# Altium PCB PCB_3U_DAC.PCBDOC (part 5 of 9)
Units mm, origin at the board's own origin, x right, y up, seen from the top; angles counter-clockwise.
Board outline 186.91 x 200.1 mm, 4 copper layers (TopLayer, Internal Plane 2, Signal Layer 1, BottomLayer), stack 1.563 mm thick; 822 components, 563 nets, 2611 pads, 820 vias.
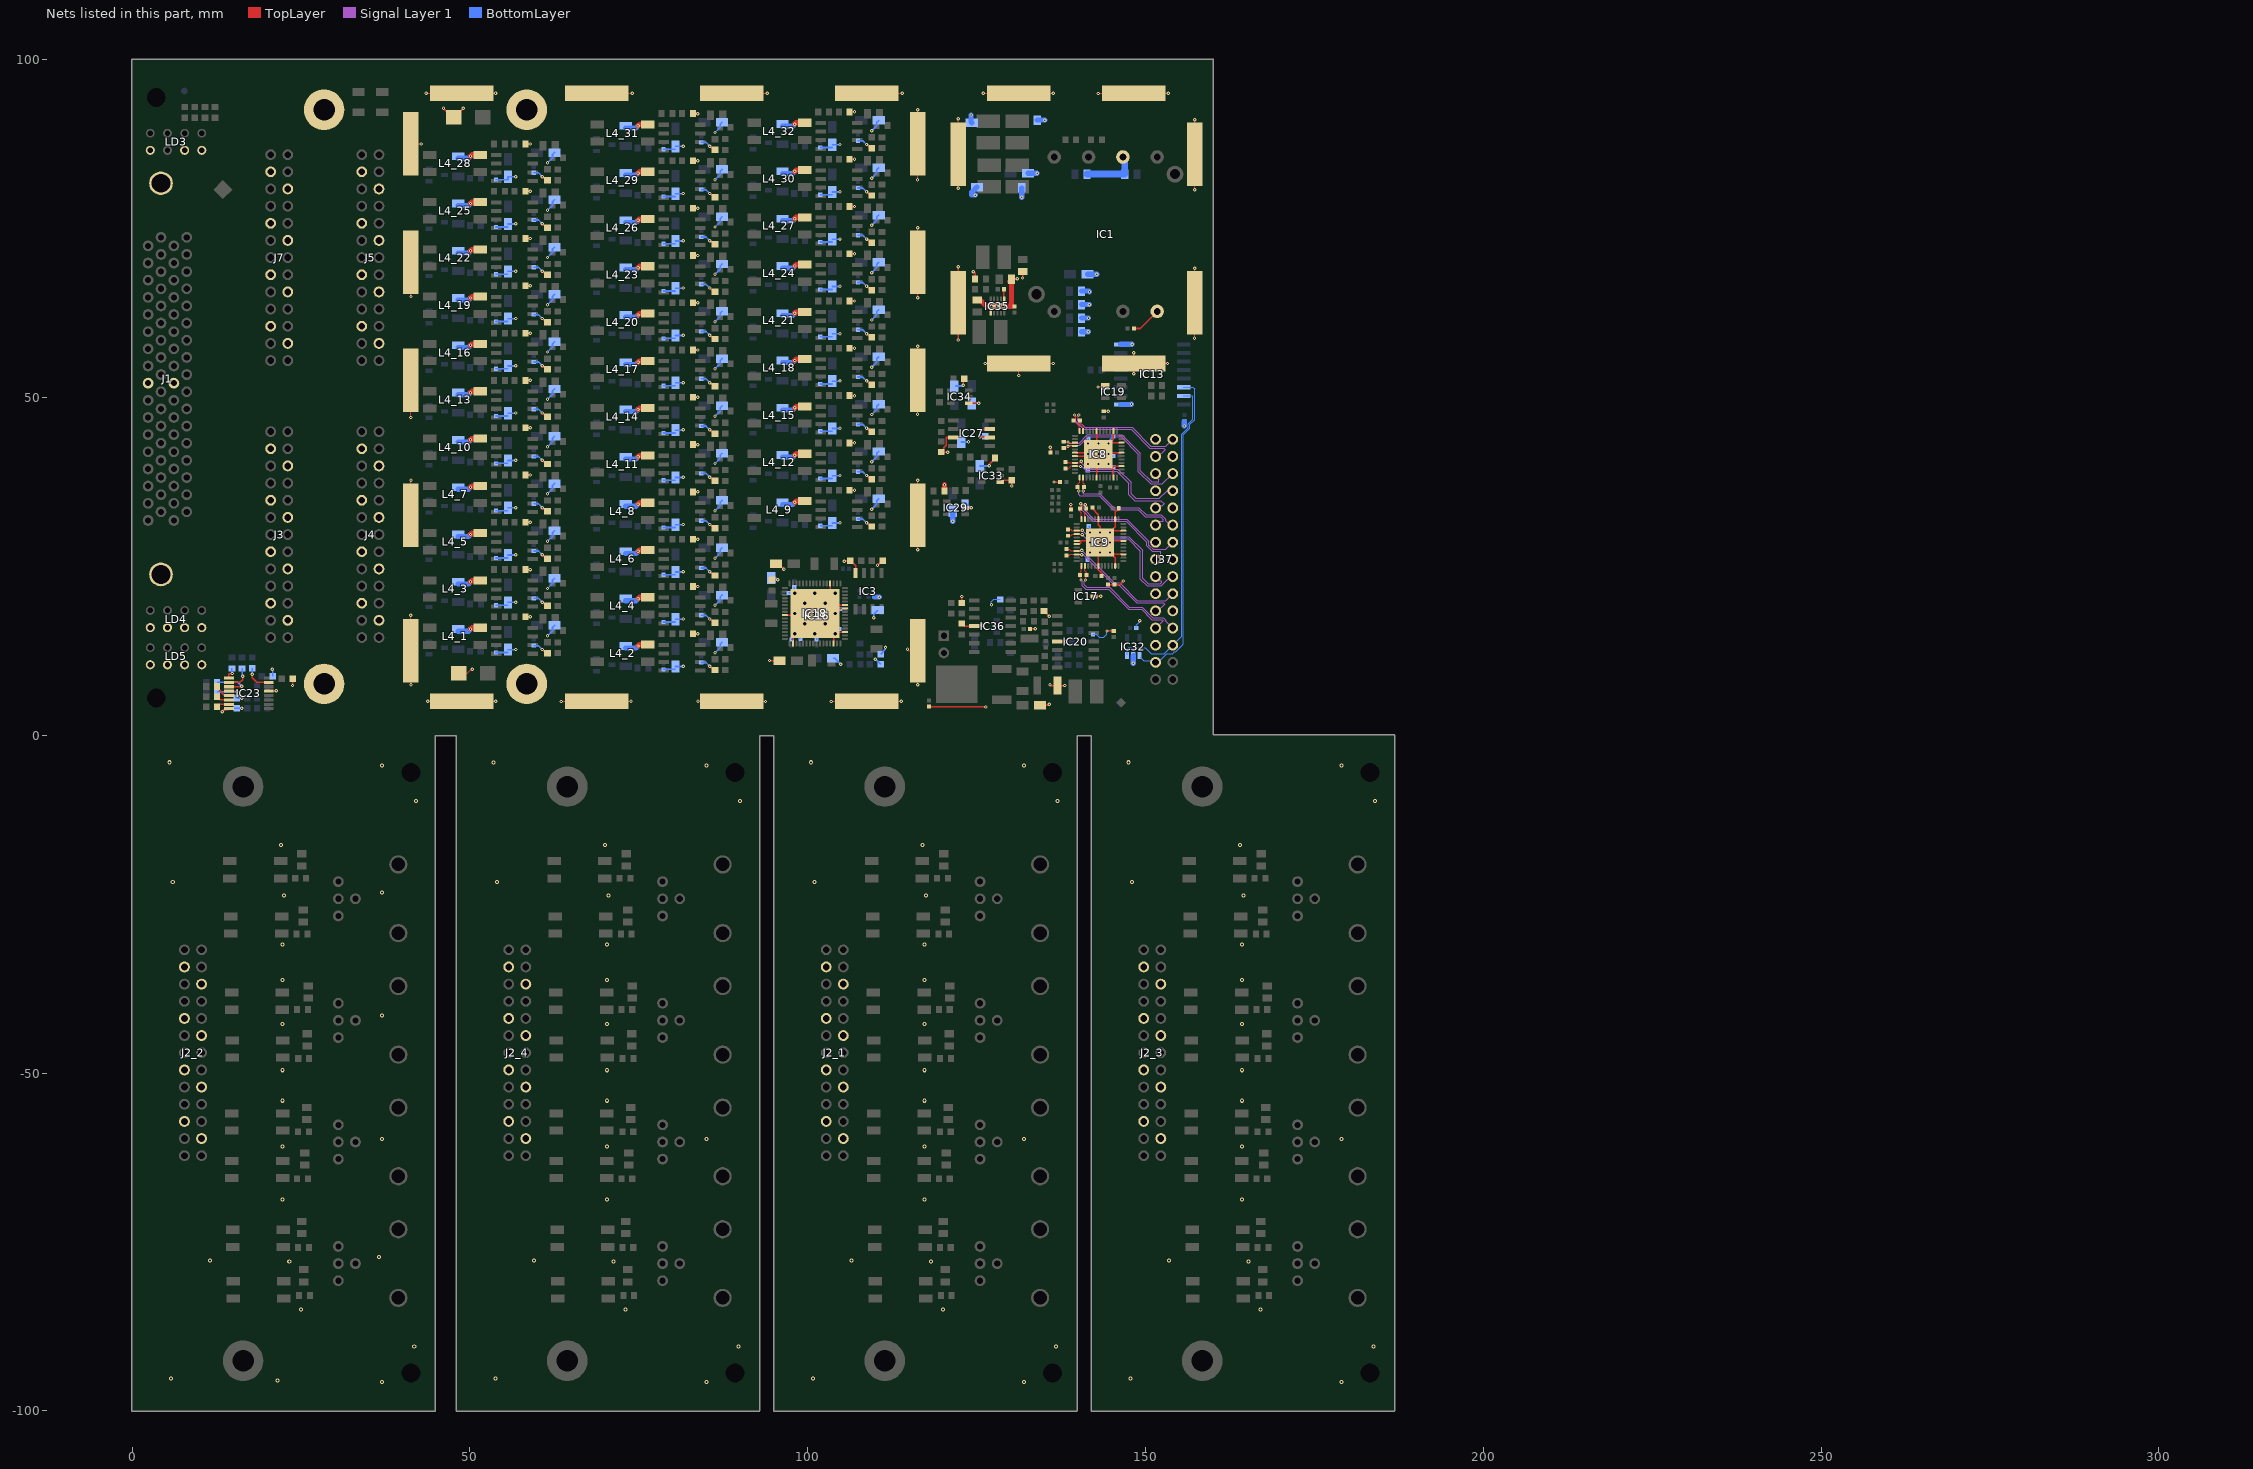
[diagram p7: the nets of this part, all layers, seen from the top]

## Via types
v1: diameter 0.5, hole 0.2, TopLayer to BottomLayer, tented both sides, 685 vias
v2: diameter 0.6, hole 0.3, TopLayer to BottomLayer, tented both sides, 105 vias
v3: diameter 1, hole 0.5, TopLayer to BottomLayer, tented both sides, 21 vias
v4: diameter 1, hole 0.6, TopLayer to BottomLayer, tented both sides, 9 vias

## Nets (pads, with @x,y where several pads share a name; then routed paths per layer and width w, separated by ;. In a path a pad name is that pad's centre, name@x,y a point inside that pad or via, vN(x,y) a via of type N, cw(c..) or ccw(c..) an arc to the next point about the centre after c; other vN are vias at no path point) (continued)
GND: C9.1 C12.2 C13.1 C14.2 C19.1 C20.1 C21.1 C22.1 C23.1 C24.1 C31.1 C33.1 C37.1 C38.1 C47.2 C50.1 C53.1 C59.1 C61_1.1 C61_2.1 C61_3.1 C61_4.1 C61_5.1 C61_6.1 C61_7.1 C61_8.1 C61_9.1 C61_10.1 C61_11.1 C61_12.1 C61_13.1 C61_14.1 C61_15.1 C61_16.1 C61_17.1 C61_18.1 C61_19.1 C61_20.1 C61_21.1 C61_22.1 C61_23.1 C61_24.1 C61_25.1 C61_26.1 C61_27.1 C61_28.1 C61_29.1 C61_30.1 C61_31.1 C61_32.1 C62_1.1 C62_2.1 C62_3.1 C62_4.1 C62_5.1 C62_6.1 C62_7.1 C62_8.1 C62_9.1 C62_10.1 C62_11.1 C62_12.1 C62_13.1 C62_14.1 C62_15.1 C62_16.1 C62_17.1 C62_18.1 C62_19.1 C62_20.1 C62_21.1 C62_22.1 C62_23.1 C62_24.1 C62_25.1 C62_26.1 C62_27.1 C62_28.1 C62_29.1 C62_30.1 C62_31.1 C62_32.1 C63.1 C65.2 C66.1 C67.1 C68.1 C69.1 C70.1 C71.1 C76.1 C77.1 C78.1 C79.2 C80.1 C81.1 C82.1 C83.1 C84.2 C90_1.2 C90_2.2 C90_3.2 C90_4.2 C90_5.2 C90_6.2 C90_7.2 C90_8.2 C90_9.2 C90_10.2 C90_11.2 C90_12.2 C90_13.2 C90_14.2 C90_15.2 C90_16.2 C90_17.2 C90_18.2 C90_19.2 C90_20.2 C90_21.2 C90_22.2 C90_23.2 C90_24.2 C90_25.2 C90_26.2 C90_27.2 C90_28.2 C90_29.2 C90_30.2 C90_31.2 C90_32.2 C91_1.1 C91_2.1 C91_3.1 C91_4.1 C91_5.1 C91_6.1 C91_7.1 C91_8.1 C91_9.1 C91_10.1 C91_11.1 C91_12.1 C91_13.1 C91_14.1 C91_15.1 C91_16.1 C91_17.1 C91_18.1 C91_19.1 C91_20.1 C91_21.1 C91_22.1 C91_23.1 C91_24.1 C91_25.1 C91_26.1 C91_27.1 C91_28.1 C91_29.1 C91_30.1 C91_31.1 C91_32.1 C92_1.1 C92_2.1 C92_3.1 C92_4.1 C92_5.1 C92_6.1 C92_7.1 C92_8.1 C92_9.1 C92_10.1 C92_11.1 C92_12.1 C92_13.1 C92_14.1 C92_15.1 C92_16.1 C92_17.1 C92_18.1 C92_19.1 C92_20.1 C92_21.1 C92_22.1 C92_23.1 C92_24.1 C92_25.1 C92_26.1 C92_27.1 C92_28.1 C92_29.1 C92_30.1 C92_31.1 C92_32.1 C93_1.1 C93_2.1 C93_3.1 C93_4.1 C93_5.1 C93_6.1 C93_7.1 C93_8.1 C93_9.1 C93_10.1 C93_11.1 C93_12.1 C93_13.1 C93_14.1 C93_15.1 C93_16.1 C93_17.1 C93_18.1 C93_19.1 C93_20.1 C93_21.1 C93_22.1 C93_23.1 C93_24.1 C93_25.1 C93_26.1 C93_27.1 C93_28.1 C93_29.1 C93_30.1 C93_31.1 C93_32.1 C95.1 C96.1 C124.2 C129.1 C130.1 C131.1 C132.2 C133.1 C134.2 C135.2 C136.2 C137.1 C138.1 C139.1 C140.1 C141.1 C142.1 C143.2 C144.1 C145.2 C146.2 C147.1 C148.1 C149.1 C150.1 C151.1 C152.2 CLIP27.1 CLIP28.1 CLIP29.1 CLIP30.1 CLIP31.1 CLIP32.1 CLIP33.1 CLIP34.1 CLIP35.1 CLIP36.1 CLIP37.1 CLIP38.1 CLIP39.1 CLIP40.1 CLIP41.1 CLIP42.1 CLIP43.1 CLIP44.1 CLIP45.1 CLIP46.1 CLIP47.1 CLIP48.1 CLIP49.1 CLIP50.1 CLIP51.1 CLIP52.1 D10.2 D11.1 IC1.3 IC1.5 IC3.4 IC8.6 IC8.7 IC8.18 IC8.23 IC8.27 IC8.31 IC8.34 IC8.38 IC8.43 IC8.49 IC9.6 IC9.7 IC9.18 IC9.23 IC9.27 IC9.31 IC9.34 IC9.38 IC9.43 IC9.49 IC13.1 IC13.8 IC16.3 IC17.3 IC18.4 IC18.25 IC18.34 IC18.46 IC18.51 IC18.58 IC18.59 IC18.65 IC19.1 IC20.11 IC23.8 IC23.13 IC27.3 IC27.6 IC27.7 IC29.2 IC32.2 IC33.1 IC34.1 IC35.1 IC35.6 IC35.11 IC36.11 J1.17 J1.51 J1.69 J1.70 J3.3 J3.6 J3.9 J3.12 J3.15 J3.18 J3.21 J3.24 J4.3 J4.6 J4.9 J4.12 J4.15 J4.18 J4.21 J4.24 J5.3 J5.6 J5.9 J5.12 J5.15 J5.18 J5.21 J5.24 J7.3 J7.6 J7.9 J7.12 J7.15 J7.18 J7.21 J7.24 J37.1 J37.4 J37.7 J37.10 J37.13 J37.16 J37.19 J37.22 J37.25 L4_1.2 L4_2.2 L4_3.2 L4_4.2 L4_5.2 L4_6.2 L4_7.2 L4_8.2 L4_9.2 L4_10.2 L4_11.2 L4_12.2 L4_13.2 L4_14.2 L4_15.2 L4_16.2 L4_17.2 L4_18.2 L4_19.2 L4_20.2 L4_21.2 L4_22.2 L4_23.2 L4_24.2 L4_25.2 L4_26.2 L4_27.2 L4_28.2 L4_29.2 L4_30.2 L4_31.2 L4_32.2 LD3.1 LD3.5 LD3.7 LD4.1 LD4.3 LD4.5 LD4.7 LD5.1 LD5.3 LD5.5 LD5.7 pad.0 pad.1@58.4,92.6 pad.2@28.4,92.6 pad.3@28.4,7.6 R2.1 R10.2 R16.1 R17.1 R19.1 R20.1 R21.1 R23.1 R65.2 R68_1.1 R68_2.1 R68_3.1 R68_4.1 R68_5.1 R68_6.1 R68_7.1 R68_8.1 R68_9.1 R68_10.1 R68_11.1 R68_12.1 R68_13.1 R68_14.1 R68_15.1 R68_16.1 R68_17.1 R68_18.1 R68_19.1 R68_20.1 R68_21.1 R68_22.1 R68_23.1 R68_24.1 R68_25.1 R68_26.1 R68_27.1 R68_28.1 R68_29.1 R68_30.1 R68_31.1 R68_32.1 R70.1 R85.1 R153.1 R157.2 R158.1 R161.1 R164.1 R168.1 R171.2 R174.1 | length 814.1
  TopLayer w0.127: CLIP38.1@40.981,87.25 CLIP38.1@41.263,87.531 v1(42.764,87.531) ; v1(41.25,17.75) 41.263,17.737 CLIP46.1@41.263,12.531 41.263,7.678 v1(41.263,7.454) ; v1(41.25,47.029) 41.25,47.459 41.263,47.472 CLIP40.1@41.263,52.531 ; CLIP47.1@41.263,32.531 v1(41.263,37.737) ; v1(41.263,64.954) 41.263,65.178 CLIP39.1@41.263,70.031 ; v1(43.5,95.031) CLIP41.1@48.762,95.031 v1(53.787,95.031) ; v1(43.75,5.031) CLIP43.1@48.762,5.031 53.616,5.031 v1(53.84,5.031) ; D11.1@48.363,9.206 49.605,9.206 50.152,9.754 v1(50.315,9.754) ; v1(63.5,5) 63.531,5.031 CLIP44.1@68.762,5.031 73.616,5.031 v1(73.84,5.031) ; CLIP42.1@68.762,95.031 v1(74,95.031) ; v1(83.75,5.031) CLIP32.1@88.762,5.031 93.719,5.031 v1(93.75,5) ; CLIP33.1@88.762,95.031 v1(94,95.031) ; v1(103.5,5) 103.531,5.031 CLIP45.1@108.762,5.031 113.616,5.031 v1(113.839,5.031) ; CLIP34.1@108.762,95.031 v1(114,95.031) ; v1(114.763,12.75) 114.981,12.531 CLIP37.1@116.263,12.531 116.263,7.678 v1(116.263,7.454) ; v1(116.25,47.5) 116.263,47.513 CLIP29.1@116.263,52.531 116.263,57.385 v1(116.263,57.608) ; v1(116.25,82.25) 116.263,82.263 CLIP31.1@116.263,87.531 116.263,92.385 v1(116.263,92.608) ; v1(116.263,27.454) 116.263,27.678 CLIP28.1@116.263,32.531 v1(116.263,37.75) ; v1(116.263,64.75) CLIP30.1@116.263,70.031 116.263,74.885 v1(116.263,75.108) ; v1(122.263,80.954) 122.263,81.178 CLIP36.1@122.263,86.031 v1(122.263,91.25) ; v1(126,95.031) CLIP35.1@131.262,95.031 136.116,95.031 v1(136.34,95.031) ; v1(126.25,55.031) CLIP52.1@131.263,55.031 ; v1(131.25,53.25) 131.263,53.263 CLIP52.1@131.263,55.031 ; v1(136.34,55.031) 136.116,55.031 CLIP52.1@131.263,55.031 ; v1(143,95) 143.031,95.031 CLIP49.1@148.262,95.031 153.116,95.031 v1(153.339,95.031) ; v1(157.25,58.75) 157.263,58.763 CLIP50.1@157.263,64.031 157.263,68.884 v1(157.263,69.108) ; v1(157.263,80.75) CLIP48.1@157.263,86.031 157.263,90.884 v1(157.263,91.108)
  TopLayer w0.203: v1(13.341,3.501) 13.341,3.534 13.556,3.75 14.131,3.75 IC23.8@14.313,3.931 ; IC23.13@20.213,6.531 21.237,6.531 v1(21.307,6.601) ; v1(23.72,7.363) 23.758,7.401 C96.1@23.758,8.379 ; v1(46.072,92.834) 47.449,91.456 47.615,91.456 v1(48.993,92.834) ; v1(94.339,11.072) 94.365,11.046 C84.2@95.826,11.046 ; C47.2@95.318,25.397 95.876,24.838 96.194,24.838 v1(96.473,24.559) ; IC18.25@96.613,17.781 98.019,17.781 IC18.65@98.142,17.904 ; IC18.34@97.813,13.581 97.813,14.527 IC18.65@98.015,14.729 ; IC18.4@103.313,22.481 103.313,21.242 IC18.65@103.349,21.206 ; IC18.65@103.73,15.11 103.813,15.027 IC18.46@103.813,13.581 ; IC18.65@104.111,19.301 104.131,19.281 IC18.59@105.513,19.281 ; IC18.65@104.238,18.793 104.25,18.781 IC18.58@105.513,18.781 ; IC18.65@104.365,15.364 104.448,15.281 IC18.51@105.513,15.281 ; v1(105.381,25.778) 105.444,25.842 C82.1@106.299,25.842 107.074,25.067 IC3.4@107.074,24.02 ; v1(110.334,25.143) 111.032,25.842 C80.1@111.074,25.842 ; R174.1@117.954,4.226 126.298,4.226 v1(126.336,4.188) ; v1(122.263,58.5) CLIP51.1@122.263,64.031 122.263,69.354 v1(122.276,69.367) ; R85.1@122.78,16.545 122.799,16.545 123.186,16.158 IC36.11@124.68,16.158 125.689,16.158 v1(125.813,16.281) ; R168.1@122.78,19.593 122.813,19.626 v1(122.813,20.531) ; IC29.2@123.283,33.647 124.172,33.647 v1(124.177,33.652) ; v1(124.511,68.631) 124.788,68.354 R164.1@124.788,67.531 ; IC35.6@127.087,62.481 127.087,63.36 IC35.11@127.098,63.37 ; IC35.11@129.003,63.497 129.087,63.582 IC35.1@129.087,64.581 ; C150.1@129.038,66.031 129.038,64.859 IC35.1@129.13,64.767 ; C151.1@129.988,67.18 129.988,67.531 131.005,67.531 v1(131.035,67.561) ; v1(131.797,67.688) 131.838,67.729 C129.1@131.838,68.631 ; C67.1@132.882,15.745 v1(133.702,15.745) ; C65.2@134.367,4.442 135.607,4.442 v1(135.734,4.569) ; R65.2@134.972,18.374 135.73,17.615 v1(135.765,17.615) ; v1(135.861,7.49) 135.988,7.363 C152.2@136.979,7.363 v1(138.02,7.363) ; v1(135.89,42.621) 135.94,42.571 R17.1@135.94,41.854 ; v1(136.444,37.485) R19.1@137.337,37.485 ; IC20.11@136.935,13.872 138.115,13.872 v1(138.147,13.84) ; v1(138.942,34.16) 138.967,34.135 R20.1@138.967,33.411 ; IC8.7@139.556,41.33 141.337,41.33 141.587,41.58 IC8.49@143.006,41.58 ; IC8.6@139.556,41.83 IC8.49@141.506,41.83 ; IC9.7@139.82,28.284 140.241,28.284 140.241,28.339 140.386,28.483 140.386,28.784 ; IC9.6@139.82,28.784 140.386,28.784 ; R21.1@142.155,33.703 142.155,33.513 143.02,32.647 IC9.43@143.02,31.984 143.02,31.149 143.27,30.899 v2(143.27,30.034) v2(143.27,28.534) ; IC17.3@142.345,20.571 v1(143.354,20.571) ; IC8.18@142.756,38.13 142.756,39.701 143.006,39.951 v2(143.006,40.153) IC8.49@143.006,41.552 ; IC8.43@142.756,45.03 142.756,43.732 143.006,43.482 v2(143.006,43.153) v2(143.006,41.653) ; v1(142.973,51.559) 143.024,51.611 IC19.1@144.05,51.611 ; IC8.49@143.263,41.58 144.33,41.58 IC8.49@144.454,41.705 ; IC9.49@143.27,28.608 145.52,30.858 IC9.38@145.52,31.984 145.55,32.013 145.55,33.063 145.83,33.343 146.041,33.343 R171.2@146.041,33.601 ; C24.1@143.466,23.555 143.466,24.08 143.02,24.526 IC9.18@143.02,25.084 143.02,26.681 143.27,26.931 v2(143.27,27.034) v2(143.27,28.534) ; IC9.49@143.705,28.534 145.455,26.784 IC9.27@146.72,26.784 ; R16.1@143.827,47.963 144.468,47.963 v1(144.475,47.955) ; IC8.49@144.455,40.102 145.256,39.302 IC8.23@145.256,38.13 ; R23.1@144.462,22.309 R157.2@145.427,22.309 146.166,22.309 v1(146.689,22.832) ; IC8.49@144.469,40.117 IC8.49@143.006,41.58 ; IC8.49@144.58,41.83 IC8.31@146.456,41.83 ; IC9.49@144.745,28.559 144.72,28.534 v2(143.27,28.534) ; IC8.49@144.756,39.83 IC8.27@146.456,39.83 ; IC9.49@144.97,28.784 IC9.31@146.72,28.784 ; IC9.49@145.038,30.301 146.702,30.301 IC9.34@146.72,30.284 ; 145.114,43.689 IC8.49@143.006,41.58 ; IC9.49@145.213,26.591 145.52,26.284 IC9.23@145.52,25.084 ; IC8.38@145.256,45.03 145.256,43.83 144.756,43.33 IC8.34@146.456,43.33 ; v1(148.234,56.642) 148.263,56.614 CLIP27.1@148.263,55.031 ; v1(148.25,53.531) 148.263,53.544 CLIP27.1@148.263,55.031 ; v1(153.25,55.031) CLIP27.1@148.263,55.031 ; 140.386,28.784 141.396,28.784 141.646,28.534 v2(141.77,28.534) v2(143.27,28.534)
  TopLayer w0.254: R68_1.1@58.204,17.526 v1(58.928,17.526) ; R68_3.1@58.204,24.526 v1(58.928,24.526) ; R68_5.1@58.204,31.526 v1(58.928,31.526) ; R68_7.1@58.204,38.526 v1(58.928,38.526) ; R68_10.1@58.204,45.526 v1(58.928,45.526) ; R68_13.1@58.204,52.526 v1(58.928,52.526) ; R68_16.1@58.204,59.526 v1(58.928,59.526) ; R68_19.1@58.204,66.526 v1(58.928,66.526) ; R68_22.1@58.204,73.526 v1(58.928,73.526) ; R68_25.1@58.204,80.526 v1(58.928,80.526) ; R68_28.1@58.204,87.526 v1(58.928,87.526) ; v1(60.706,12.7) 61.252,12.154 C61_1.1@61.468,12.154 ; v1(60.706,19.7) 61.252,19.154 C61_3.1@61.468,19.154 ; v1(60.706,26.7) 61.252,26.154 C61_5.1@61.468,26.154 ; v1(60.706,33.7) 61.252,33.154 C61_7.1@61.468,33.154 ; v1(60.706,40.7) 61.252,40.154 C61_10.1@61.468,40.154 ; v1(60.706,47.7) 61.252,47.154 C61_13.1@61.468,47.154 ; v1(60.706,54.7) 61.252,54.154 C61_16.1@61.468,54.154 ; v1(60.706,61.7) 61.252,61.154 C61_19.1@61.468,61.154 ; v1(60.706,68.7) 61.252,68.154 C61_22.1@61.468,68.154 ; v1(60.706,75.7) 61.252,75.154 C61_25.1@61.468,75.154 ; v1(60.706,82.7) 61.252,82.154 C61_28.1@61.468,82.154 ; R68_2.1@83.004,15.026 v1(83.728,15.026) ; R68_4.1@83.004,22.026 v1(83.728,22.026) ; R68_6.1@83.004,29.026 v1(83.728,29.026) ; R68_8.1@83.004,36.026 v1(83.728,36.026) ; R68_11.1@83.004,43.026 v1(83.728,43.026) ; R68_14.1@83.004,50.026 v1(83.728,50.026) ; R68_17.1@83.004,57.026 v1(83.728,57.026) ; R68_20.1@83.004,64.026 v1(83.728,64.026) ; R68_23.1@83.004,71.026 v1(83.728,71.026) ; R68_26.1@83.004,78.026 v1(83.728,78.026) ; R68_29.1@83.004,85.026 v1(83.728,85.026) ; R68_31.1@83.004,92.026 v1(83.728,92.026) ; v1(85.506,10.2) 86.052,9.654 C61_2.1@86.268,9.654 ; v1(85.506,17.2) 86.052,16.654 C61_4.1@86.268,16.654 ; v1(85.506,24.2) 86.052,23.654 C61_6.1@86.268,23.654 ; v1(85.506,31.2) 86.052,30.654 C61_8.1@86.268,30.654 ; v1(85.506,38.2) 86.052,37.654 C61_11.1@86.268,37.654 ; v1(85.506,45.2) 86.052,44.654 C61_14.1@86.268,44.654 ; v1(85.506,52.2) 86.052,51.654 C61_17.1@86.268,51.654 ; v1(85.506,59.2) 86.052,58.654 C61_20.1@86.268,58.654 ; v1(85.506,66.2) 86.052,65.654 C61_23.1@86.268,65.654 ; v1(85.506,73.2) 86.052,72.654 C61_26.1@86.268,72.654 ; v1(85.506,80.2) 86.052,79.654 C61_29.1@86.268,79.654 ; v1(85.506,87.2) 86.052,86.654 C61_31.1@86.268,86.654 ; C81.1@94.713,23.022 v1(95.564,23.022) ; R68_9.1@106.204,36.276 v1(106.928,36.276) ; R68_12.1@106.204,43.276 v1(106.928,43.276) ; R68_15.1@106.204,50.276 v1(106.928,50.276) ; R68_18.1@106.204,57.276 v1(106.928,57.276) ; R68_21.1@106.204,64.276 v1(106.928,64.276) ; R68_24.1@106.204,71.276 v1(106.928,71.276) ; R68_27.1@106.204,78.276 v1(106.928,78.276) ; R68_30.1@106.204,85.276 v1(106.928,85.276) ; R68_32.1@106.204,92.276 v1(106.928,92.276) ; v1(108.706,31.45) 109.252,30.904 C61_9.1@109.468,30.904 ; v1(108.706,38.45) 109.252,37.904 C61_12.1@109.468,37.904 ; v1(108.706,45.45) 109.252,44.904 C61_15.1@109.468,44.904 ; v1(108.706,52.45) 109.252,51.904 C61_18.1@109.468,51.904 ; v1(108.706,59.45) 109.252,58.904 C61_21.1@109.468,58.904 ; v1(108.706,66.45) 109.252,65.904 C61_24.1@109.468,65.904 ; v1(108.706,73.45) 109.252,72.904 C61_27.1@109.468,72.904 ; v1(108.706,80.45) 109.252,79.904 C61_30.1@109.468,79.904 ; v1(108.706,87.45) 109.252,86.904 C61_32.1@109.468,86.904 ; R153.1@119.763,41.906 120.747,41.906 v1(120.748,41.907) ; R153.1@120.113,41.907 120.113,42.547 120.517,42.951 120.517,44.061 120.507,44.071 IC27.3@121.563,44.071 ; v1(123.034,51.813) 123.034,52.644 R70.1@123.168,52.778 ; IC34.1@123.836,49.144 123.838,49.146 v1(125.32,49.146) ; v1(126.844,39.875) 126.844,40.129 R161.1@127.733,41.018 ; IC27.6@126.844,44.193 v1(125.447,44.193) 125.447,44.828 125.828,45.209 126.831,45.209 IC27.7@126.963,45.341 ; IC33.1@128.876,37.589 129.037,37.751 C144.1@130.21,37.751 v1(130.21,36.89) ; v1(144.288,15.44) 144.304,15.456 R10.2@145.288,15.456 ; R2.1@148.298,60.198 149.188,60.198 IC1.3@151.728,62.738
  TopLayer w0.762: v1(50.082,15.718) 50.285,15.921 L4_1.2@51.546,15.921 ; v1(50.082,22.718) 50.285,22.921 L4_3.2@51.546,22.921 ; v1(50.082,29.718) 50.285,29.921 L4_5.2@51.546,29.921 ; v1(50.082,36.718) 50.285,36.921 L4_7.2@51.546,36.921 ; v1(50.082,43.718) 50.285,43.921 L4_10.2@51.546,43.921 ; v1(50.082,50.718) 50.285,50.921 L4_13.2@51.546,50.921 ; v1(50.082,57.718) 50.285,57.921 L4_16.2@51.546,57.921 ; v1(50.082,64.718) 50.285,64.921 L4_19.2@51.546,64.921 ; v1(50.082,71.718) 50.285,71.921 L4_22.2@51.546,71.921 ; v1(50.082,78.718) 50.285,78.921 L4_25.2@51.546,78.921 ; v1(50.082,85.718) 50.285,85.921 L4_28.2@51.546,85.921 ; v1(74.882,13.218) 75.085,13.421 L4_2.2@76.346,13.421 ; v1(74.882,20.218) 75.085,20.421 L4_4.2@76.346,20.421 ; v1(74.882,27.218) 75.085,27.421 L4_6.2@76.346,27.421 ; v1(74.882,34.218) 75.085,34.421 L4_8.2@76.346,34.421 ; v1(74.882,41.218) 75.085,41.421 L4_11.2@76.346,41.421 ; v1(74.882,48.218) 75.085,48.421 L4_14.2@76.346,48.421 ; v1(74.882,55.218) 75.085,55.421 L4_17.2@76.346,55.421 ; v1(74.882,62.218) 75.085,62.421 L4_20.2@76.346,62.421 ; v1(74.882,69.218) 75.085,69.421 L4_23.2@76.346,69.421 ; v1(74.882,76.218) 75.085,76.421 L4_26.2@76.346,76.421 ; v1(74.882,83.218) 75.085,83.421 L4_29.2@76.346,83.421 ; v1(74.882,90.218) 75.085,90.421 L4_31.2@76.346,90.421 ; v1(98.082,34.468) 98.285,34.671 L4_9.2@99.546,34.671 ; v1(98.082,41.468) 98.285,41.671 L4_12.2@99.546,41.671 ; v1(98.082,48.468) 98.285,48.671 L4_15.2@99.546,48.671 ; v1(98.082,55.468) 98.285,55.671 L4_18.2@99.546,55.671 ; v1(98.082,62.468) 98.285,62.671 L4_21.2@99.546,62.671 ; v1(98.082,69.468) 98.285,69.671 L4_24.2@99.546,69.671 ; v1(98.082,76.468) 98.285,76.671 L4_27.2@99.546,76.671 ; v1(98.082,83.468) 98.285,83.671 L4_30.2@99.546,83.671 ; v1(98.082,90.468) 98.285,90.671 L4_32.2@99.546,90.671 ; R158.1@120.238,36.171 v1(120.238,37.08) ; C149.1@125.087,64.431 125.529,64.431 126.463,63.497 v2(127.225,63.497) v2(127.987,63.497) v2(128.876,63.497) 129.003,63.497 130.146,63.497 130.146,66.926 C151.1@129.892,67.18
  Signal Layer 1 w0.203: v1(135.765,17.615) v1@135.765,17.734
  BottomLayer w0.127: v1(127.192,19.301) 127.192,19.79 127.503,20.101 C59.1@128.495,20.101 ; C66.1@142.211,14.925 142.7,14.925 143.141,14.485 143.848,14.485 144.288,14.925 v1(144.288,15.44) ; C38.1@148.621,15.859 148.621,16.278 149.136,16.793 v1(149.136,16.972)
  BottomLayer w0.203: v1(13.341,3.501) 13.839,4 C76.1@15.45,4 v1(16.198,4) ; C71.1@15.45,5.5 v1(16.198,5.5) ; v1(20.75,9.75) 20.8,9.7 C77.1@20.8,8.75 ; C12.2@94.586,23.268 95.318,23.268 v1(95.564,23.022) v1@95.602,22.984 ; C53.1@97.195,21.079 v3@97.888,21.079 ; C33.1@97.634,14.163 97.634,14.221 98.142,14.729 98.142,14.856 v3@98.205,14.793 ; v3@98.015,21.079 C31.1@98.015,21.899 ; v3@98.269,14.856 98.338,14.856 C50.1@98.904,14.29 ; v3@101.063,14.983 101.317,14.729 C78.1@101.316,14.163 ; C79.2@103.76,11.427 103.995,11.427 v1(104.91,10.513) ; v3@104.238,15.364 104.296,15.364 C83.1@104.677,15.745 ; v3@104.365,18.285 104.423,18.285 C13.1@104.804,18.666 ; v1(109.75,17.389) 109.75,17.926 C14.2@110.364,18.539 ; v1(110,11.25) 110.05,11.25 C95.1@110.8,10.5 ; C68.1@110.8,12 111.5,12.7 v1(111.5,13) ; C133.1@123.283,34.447 124.078,33.652 v1(124.177,33.652) ; C69.1@141.424,25.931 141.424,26.687 v2(141.77,27.034) ; C22.1@141.456,39.233 141.456,40.104 v2(141.506,40.153) ; v2(141.506,43.153) 141.558,43.205 C23.1@141.558,43.896 ; C70.1@141.583,30.967 141.77,30.78 v2(141.77,30.034) ; v2(144.506,40.153) 144.994,39.665 C20.1@145.266,39.665 ; v2(144.506,41.653) 144.836,41.323 C19.1@145.223,41.323 ; v2(144.506,43.153) 144.506,43.465 C21.1@145.266,44.226
  BottomLayer w0.254: C91_1.1@53.848,12.25 C90_1.2@55.606,12.25 ; C91_3.1@53.848,19.25 C90_3.2@55.606,19.25 ; C91_5.1@53.848,26.25 C90_5.2@55.606,26.25 ; C91_7.1@53.848,33.25 C90_7.2@55.606,33.25 ; C91_10.1@53.848,40.25 C90_10.2@55.606,40.25 ; C91_13.1@53.848,47.25 C90_13.2@55.606,47.25 ; C91_16.1@53.848,54.25 C90_16.2@55.606,54.25 ; C91_19.1@53.848,61.25 C90_19.2@55.606,61.25 ; C91_22.1@53.848,68.25 C90_22.2@55.606,68.25 ; C91_25.1@53.848,75.25 C90_25.2@55.606,75.25 ; C91_28.1@53.848,82.25 55.606,82.25 55.626,82.27 C90_28.2@55.626,82.67 56.746,82.67 v1(56.776,82.7) ; C90_1.2@55.626,12.67 56.746,12.67 v1(56.776,12.7) ; C90_3.2@55.626,19.67 56.746,19.67 v1(56.776,19.7) ; C90_5.2@55.626,26.67 56.746,26.67 v1(56.776,26.7) ; C90_7.2@55.626,33.67 56.746,33.67 v1(56.776,33.7) ; C90_10.2@55.626,40.67 56.746,40.67 v1(56.776,40.7) ; C90_13.2@55.626,47.67 56.746,47.67 v1(56.776,47.7) ; C90_16.2@55.626,54.67 56.746,54.67 v1(56.776,54.7) ; C90_19.2@55.626,61.67 56.746,61.67 v1(56.776,61.7) ; C90_22.2@55.626,68.67 56.746,68.67 v1(56.776,68.7) ; C90_25.2@55.626,75.67 56.746,75.67 v1(56.776,75.7) ; C92_1.1@59.436,13.266 60.14,13.266 v1(60.706,12.7) ; C92_3.1@59.436,20.266 60.14,20.266 v1(60.706,19.7) ; C92_5.1@59.436,27.266 60.14,27.266 v1(60.706,26.7) ; C92_7.1@59.436,34.266 60.14,34.266 v1(60.706,33.7) ; C92_10.1@59.436,41.266 60.14,41.266 v1(60.706,40.7) ; C92_13.1@59.436,48.266 60.14,48.266 v1(60.706,47.7) ; C92_16.1@59.436,55.266 60.14,55.266 v1(60.706,54.7) ; C92_19.1@59.436,62.266 60.14,62.266 v1(60.706,61.7) ; C92_22.1@59.436,69.266 60.14,69.266 v1(60.706,68.7) ; C92_25.1@59.436,76.266 60.14,76.266 v1(60.706,75.7) ; C92_28.1@59.436,83.266 60.14,83.266 v1(60.706,82.7) ; v1(61.475,14.727) 62.23,15.482 62.23,15.972 C93_1.1@62.514,16.256 ; v1(61.475,21.727) 62.23,22.482 62.23,22.972 C93_3.1@62.514,23.256 ; v1(61.475,28.727) 62.23,29.482 62.23,29.972 C93_5.1@62.514,30.256 ; v1(61.475,35.727) 62.23,36.482 62.23,36.972 C93_7.1@62.514,37.256 ; v1(61.475,42.727) 62.23,43.482 62.23,43.972 C93_10.1@62.514,44.256 ; v1(61.475,49.727) 62.23,50.482 62.23,50.972 C93_13.1@62.514,51.256 ; v1(61.475,56.727) 62.23,57.482 62.23,57.972 C93_16.1@62.514,58.256 ; v1(61.475,63.727) 62.23,64.482 62.23,64.972 C93_19.1@62.514,65.256 ; v1(61.475,70.727) 62.23,71.482 62.23,71.972 C93_22.1@62.514,72.256 ; v1(61.475,77.727) 62.23,78.482 62.23,78.972 C93_25.1@62.514,79.256 ; v1(61.475,84.727) 62.23,85.482 62.23,85.972 C93_28.1@62.514,86.256 ; C91_2.1@78.648,9.75 C90_2.2@80.406,9.75 ; C91_4.1@78.648,16.75 C90_4.2@80.406,16.75 ; C91_6.1@78.648,23.75 C90_6.2@80.406,23.75 ; C91_8.1@78.648,30.75 C90_8.2@80.406,30.75 ; C91_11.1@78.648,37.75 C90_11.2@80.406,37.75 ; C91_14.1@78.648,44.75 C90_14.2@80.406,44.75 ; C91_17.1@78.648,51.75 C90_17.2@80.406,51.75 ; C91_20.1@78.648,58.75 C90_20.2@80.406,58.75 ; C91_23.1@78.648,65.75 C90_23.2@80.406,65.75 ; C91_26.1@78.648,72.75 C90_26.2@80.406,72.75 ; C91_29.1@78.648,79.75 C90_29.2@80.406,79.75 ; C91_31.1@78.648,86.75 C90_31.2@80.406,86.75 ; C90_2.2@80.426,10.17 81.546,10.17 v1(81.576,10.2) ; C90_4.2@80.426,17.17 81.546,17.17 v1(81.576,17.2) ; C90_6.2@80.426,24.17 81.546,24.17 v1(81.576,24.2) ; C90_8.2@80.426,31.17 81.546,31.17 v1(81.576,31.2) ; C90_11.2@80.426,38.17 81.546,38.17 v1(81.576,38.2) ; C90_14.2@80.426,45.17 81.546,45.17 v1(81.576,45.2) ; C90_17.2@80.426,52.17 81.546,52.17 v1(81.576,52.2) ; C90_20.2@80.426,59.17 81.546,59.17 v1(81.576,59.2) ; C90_23.2@80.426,66.17 81.546,66.17 v1(81.576,66.2) ; C90_26.2@80.426,73.17 81.546,73.17 v1(81.576,73.2) ; C90_29.2@80.426,80.17 81.546,80.17 v1(81.576,80.2) ; C90_31.2@80.426,87.17 81.546,87.17 v1(81.576,87.2) ; C92_2.1@84.236,10.766 84.94,10.766 v1(85.506,10.2) ; C92_4.1@84.236,17.766 84.94,17.766 v1(85.506,17.2) ; C92_6.1@84.236,24.766 84.94,24.766 v1(85.506,24.2) ; C92_8.1@84.236,31.766 84.94,31.766 v1(85.506,31.2) ; C92_11.1@84.236,38.766 84.94,38.766 v1(85.506,38.2) ; C92_14.1@84.236,45.766 84.94,45.766 v1(85.506,45.2) ; C92_17.1@84.236,52.766 84.94,52.766 v1(85.506,52.2) ; C92_20.1@84.236,59.766 84.94,59.766 v1(85.506,59.2) ; C92_23.1@84.236,66.766 84.94,66.766 v1(85.506,66.2) ; C92_26.1@84.236,73.766 84.94,73.766 v1(85.506,73.2) ; C92_29.1@84.236,80.766 84.94,80.766 v1(85.506,80.2) ; C92_31.1@84.236,87.766 84.94,87.766 v1(85.506,87.2) ; v1(86.275,12.227) 87.03,12.982 87.03,13.472 C93_2.1@87.314,13.756 ; v1(86.275,19.227) 87.03,19.982 87.03,20.472 C93_4.1@87.314,20.756 ; v1(86.275,26.227) 87.03,26.982 87.03,27.472 C93_6.1@87.314,27.756 ; v1(86.275,33.227) 87.03,33.982 87.03,34.472 C93_8.1@87.314,34.756 ; v1(86.275,40.227) 87.03,40.982 87.03,41.472 C93_11.1@87.314,41.756 ; v1(86.275,47.227) 87.03,47.982 87.03,48.472 C93_14.1@87.314,48.756 ; v1(86.275,54.227) 87.03,54.982 87.03,55.472 C93_17.1@87.314,55.756 ; v1(86.275,61.227) 87.03,61.982 87.03,62.472 C93_20.1@87.314,62.756 ; v1(86.275,68.227) 87.03,68.982 87.03,69.472 C93_23.1@87.314,69.756 ; v1(86.275,75.227) 87.03,75.982 87.03,76.472 C93_26.1@87.314,76.756 ; v1(86.275,82.227) 87.03,82.982 87.03,83.472 C93_29.1@87.314,83.756 ; v1(86.275,89.227) 87.03,89.982 87.03,90.472 C93_31.1@87.314,90.756 ; C91_9.1@101.848,31 C90_9.2@103.606,31 ; C91_12.1@101.848,38 C90_12.2@103.606,38 ; C91_15.1@101.848,45 C90_15.2@103.606,45 ; C91_18.1@101.848,52 C90_18.2@103.606,52 ; C91_21.1@101.848,59 C90_21.2@103.606,59 ; C91_24.1@101.848,66 C90_24.2@103.606,66 ; C91_27.1@101.848,73 C90_27.2@103.606,73 ; C91_30.1@101.848,80 C90_30.2@103.606,80 ; C91_32.1@101.848,87 C90_32.2@103.606,87 ; C90_9.2@103.626,31.42 104.746,31.42 v1(104.776,31.45) ; C90_12.2@103.626,38.42 104.746,38.42 v1(104.776,38.45) ; C90_15.2@103.626,45.42 104.746,45.42 v1(104.776,45.45) ; C90_18.2@103.626,52.42 104.746,52.42 v1(104.776,52.45) ; C90_21.2@103.626,59.42 104.746,59.42 v1(104.776,59.45) ; C90_24.2@103.626,66.42 104.746,66.42 v1(104.776,66.45) ; C90_27.2@103.626,73.42 104.746,73.42 v1(104.776,73.45) ; C90_30.2@103.626,80.42 104.746,80.42 v1(104.776,80.45) ; C90_32.2@103.626,87.42 104.746,87.42 v1(104.776,87.45) ; C92_9.1@107.436,32.016 108.14,32.016 v1(108.706,31.45) ; C92_12.1@107.436,39.016 108.14,39.016 v1(108.706,38.45) ; C92_15.1@107.436,46.016 108.14,46.016 v1(108.706,45.45) ; C92_18.1@107.436,53.016 108.14,53.016 v1(108.706,52.45) ; C92_21.1@107.436,60.016 108.14,60.016 v1(108.706,59.45) ; C92_24.1@107.436,67.016 108.14,67.016 v1(108.706,66.45) ; C92_27.1@107.436,74.016 108.14,74.016 v1(108.706,73.45) ; C92_30.1@107.436,81.016 108.14,81.016 v1(108.706,80.45) ; C92_32.1@107.436,88.016 108.14,88.016 v1(108.706,87.45) ; v1(109.475,33.477) 110.23,34.232 110.23,34.722 C93_9.1@110.514,35.006 ; v1(109.475,40.477) 110.23,41.232 110.23,41.722 C93_12.1@110.514,42.006 ; v1(109.475,47.477) 110.23,48.232 110.23,48.722 C93_15.1@110.514,49.006 ; v1(109.475,54.477) 110.23,55.232 110.23,55.722 C93_18.1@110.514,56.006 ; v1(109.475,61.477) 110.23,62.232 110.23,62.722 C93_21.1@110.514,63.006 ; v1(109.475,68.477) 110.23,69.232 110.23,69.722 C93_24.1@110.514,70.006 ; v1(109.475,75.477) 110.23,76.232 110.23,76.722 C93_27.1@110.514,77.006 ; v1(109.475,82.477) 110.23,83.232 110.23,83.722 C93_30.1@110.514,84.006 ; v1(109.475,89.477) 110.23,90.232 110.23,90.722 C93_32.1@110.514,91.006 ; C147.1@121.891,51.686 122.907,51.686 v1(123.034,51.813) ; C124.2@122.712,43.406 123.771,43.406 v1(123.796,43.431) ; C145.2@124.431,49.146 v1(125.32,49.146) ; v1(125.447,44.193) 125.485,44.231 C63.1@126.263,44.231 ; C146.2@125.46,39.851 126.819,39.851 v1(126.844,39.875)
  BottomLayer w0.762: C62_1.1@48.263,15.406 49.77,15.406 v1(50.082,15.718) ; C62_3.1@48.263,22.406 49.77,22.406 v1(50.082,22.718) ; C62_5.1@48.263,29.406 49.77,29.406 v1(50.082,29.718) ; C62_7.1@48.263,36.406 49.77,36.406 v1(50.082,36.718) ; C62_10.1@48.263,43.406 49.77,43.406 v1(50.082,43.718) ; C62_13.1@48.263,50.406 49.77,50.406 v1(50.082,50.718) ; C62_16.1@48.263,57.406 49.77,57.406 v1(50.082,57.718) ; C62_19.1@48.263,64.406 49.77,64.406 v1(50.082,64.718) ; C62_22.1@48.263,71.406 49.77,71.406 v1(50.082,71.718) ; C62_25.1@48.263,78.406 49.77,78.406 v1(50.082,78.718) ; C62_28.1@48.263,85.406 49.77,85.406 v1(50.082,85.718) ; C62_2.1@73.063,12.906 74.57,12.906 v1(74.882,13.218) ; C62_4.1@73.063,19.906 74.57,19.906 v1(74.882,20.218) ; C62_6.1@73.063,26.906 74.57,26.906 v1(74.882,27.218) ; C62_8.1@73.063,33.906 74.57,33.906 v1(74.882,34.218) ; C62_11.1@73.063,40.906 74.57,40.906 v1(74.882,41.218) ; C62_14.1@73.063,47.906 74.57,47.906 v1(74.882,48.218) ; C62_17.1@73.063,54.906 74.57,54.906 v1(74.882,55.218) ; C62_20.1@73.063,61.906 74.57,61.906 v1(74.882,62.218) ; C62_23.1@73.063,68.906 74.57,68.906 v1(74.882,69.218) ; C62_26.1@73.063,75.906 74.57,75.906 v1(74.882,76.218) ; C62_29.1@73.063,82.906 74.57,82.906 v1(74.882,83.218) ; C62_31.1@73.063,89.906 74.57,89.906 v1(74.882,90.218) ; C62_9.1@96.263,34.156 97.77,34.156 v1(98.082,34.468) ; C62_12.1@96.263,41.156 97.77,41.156 v1(98.082,41.468) ; C62_15.1@96.263,48.156 97.77,48.156 v1(98.082,48.468) ; C62_18.1@96.263,55.156 97.77,55.156 v1(98.082,55.468) ; C62_21.1@96.263,62.156 97.77,62.156 v1(98.082,62.468) ; C62_24.1@96.263,69.156 97.77,69.156 v1(98.082,69.468) ; C62_27.1@96.263,76.156 97.77,76.156 v1(98.082,76.468) ; C62_30.1@96.263,83.156 97.77,83.156 v1(98.082,83.468) ; C62_32.1@96.263,90.156 97.77,90.156 v1(98.082,90.468) ; C9.1@109.895,20.444 v1(110.588,20.444) ; v1(121.458,31.672) C135.2@121.458,33.172 ; v1(124.177,91.818) 124.177,90.772 C143.2@124.274,90.675 ; v1(124.794,79.951) 124.262,79.951 124.262,80.377 C134.2@125.036,81.15 ; v1(131.67,79.626) 131.681,79.637 C131.1@131.681,81.023 ; C132.2@132.589,83.182 v1(133.956,83.182) ; C142.1@133.967,91.056 v1(135.099,91.056) ; C137.1@140.53,59.741 v1(141.522,59.741) ; C140.1@140.53,61.741 v1(141.554,61.741) ; C139.1@140.53,63.741 v1(141.692,63.741) ; C138.1@140.53,65.741 141.618,65.741 v1(141.703,65.656) ; C136.2@141.43,68.241 v1(142.801,68.241) ; IC13.1@146.315,48.981 147.887,48.981 v1(147.926,49.019) ; IC13.8@146.315,57.871 v1(148.014,57.871) ; v1(148.18,10.665) 148.18,11.748 IC32.2@148.197,11.765 ; v1(155.74,45.776) C37.1@155.74,46.448
  BottomLayer w1.016: C130.1@141.362,83.058 C141.1@146.928,83.058 146.928,85.318 IC1.5@146.648,85.598
  other v2: 144.77,27.034 144.77,28.534 144.77,30.034 141.506,41.653
  other v3: 98.063,15.031 101.063,15.031 104.063,15.031 99.563,16.531 102.563,16.531 98.063,18.031 101.063,18.031 104.063,18.031 99.563,19.531 102.563,19.531 98.063,21.031 101.063,21.031 104.063,21.031
GNDP_1: J2_1.3 J2_1.6 J2_1.9 J2_1.12 J2_1.15 J2_1.18 J2_1.21 J2_1.24
  other v2: 132,-95.75 100.75,-95.25 136.75,-90.5 120,-85 118.25,-77.873 106.5,-77.75 117.25,-68.75 117.25,-60.887 132,-59.75 117.25,-54.102 117.25,-49.585 117.25,-42.765 117.25,-36.25 117.25,-31 117.5,-23.75 101,-21.75 117,-16.25 137,-9.75 132,-4.5 100.5,-4
GNDP_2: J2_2.3 J2_2.6 J2_2.9 J2_2.12 J2_2.15 J2_2.18 J2_2.21 J2_2.24
  other v2: 37,-95.75 21.5,-95.5 5.75,-95.25 41.75,-90.5 25,-85 23.25,-77.873 11.5,-77.75 36.5,-77.25 22.25,-68.75 22.25,-60.887 37,-59.75 22.25,-54.102 22.25,-49.585 22.25,-42.765 37,-41.5 22.25,-36.25 22.25,-31 22.5,-23.75 37,-23.25 6,-21.75 22,-16.25 42,-9.75 37,-4.5 5.5,-4
GNDP_3: J2_3.3 J2_3.6 J2_3.9 J2_3.12 J2_3.15 J2_3.18 J2_3.21 J2_3.24
  other v2: 179,-95.75 147.75,-95.25 183.75,-90.5 167,-85 165.25,-77.873 153.5,-77.75 164.25,-68.75 164.25,-60.887 179,-59.75 164.25,-54.102 164.25,-49.585 164.25,-42.765 164.25,-36.25 164.25,-31 164.5,-23.75 148,-21.75 164,-16.25 184,-9.75 179,-4.5 147.5,-4
GNDP_4: J2_4.3 J2_4.6 J2_4.9 J2_4.12 J2_4.15 J2_4.18 J2_4.21 J2_4.24
  other v2: 85,-95.75 53.75,-95.25 89.75,-90.5 73,-85 71.25,-77.873 59.5,-77.75 70.25,-68.75 70.25,-60.888 85,-59.75 70.25,-54.102 70.25,-49.585 70.25,-42.765 70.25,-36.25 70.25,-31 70.5,-23.75 54,-21.75 70,-16.25 90,-9.75 85,-4.5 53.5,-4
I2C_SCL: IC13.14 IC32.1 J37.27 | length 47.8
  BottomLayer w0.127: IC32.1@149.196,11.554 149.704,11.046 152.107,11.046 153.123,12.062 154,12.062 154.279,12.341 154.443,12.341 155.602,13.5 155.602,44.471 156.566,45.434 156.566,46.006 157.251,46.691 157.251,51.275 157.005,51.521 IC13.14@155.615,51.521
I2C_SDA: IC13.15 IC32.3 J37.26 | length 48
  BottomLayer w0.127: IC32.3@147.291,11.935 147.291,12.697 147.545,12.951 149.958,12.951 150.847,12.062 152.764,12.062 J37.26@154.033,13.331 155.348,14.647 155.348,44.576 156.312,45.54 156.312,46.111 156.997,46.796 156.997,50.251 IC13.15@155.615,50.251
LED0: IC23.15 R113.1 | length 4.1
  TopLayer w0.203: v1(17.751,9.014) 17.751,8.506 18.425,7.831 IC23.15@20.213,7.831
  BottomLayer w0.203: v1(17.751,9.014) 17.763,9.026 R113.1@17.763,9.906
LED1: IC23.1 R114.1 | length 2
  TopLayer w0.203: IC23.1@14.313,8.481 14.313,9.132 14.322,9.141 v1(14.83,9.141)
  BottomLayer w0.203: R114.1@14.763,9.906 14.763,9.208 v1(14.83,9.141)
LED2: IC23.2 R115.1 | length 3.9
  TopLayer w0.203: IC23.2@14.313,7.831 15.933,7.831 16.354,8.252 v1(16.354,8.76)
  BottomLayer w0.203: R115.1@16.263,9.906 16.263,8.851 v1(16.354,8.76)
LED3: IC23.3 R119.1 | length 5.9
  TopLayer w0.203: IC23.3@14.313,7.181 16.172,7.181 v1(16.227,7.236)
  BottomLayer w0.203: R119.1@12.563,7.856 15.606,7.856 v1(16.227,7.236)
LED4: IC23.4 R120.1 | length 4.1
  TopLayer w0.203: IC23.4@14.313,6.531 15.408,6.531 v1(15.465,6.474)
  BottomLayer w0.203: R120.1@12.563,6.456 15.447,6.456 v1(15.465,6.474)
LED5: IC23.5 R121.1 | length 2.4
  TopLayer w0.203: R121.1@12.563,7.206 12.563,7.008 13.689,5.881 IC23.5@14.313,5.881
LED6: IC23.6 R122.1 | length 1.9
  TopLayer w0.203: R122.1@12.563,5.706 13.038,5.231 IC23.6@14.313,5.231
LED7: IC23.7 R123.1 | length 1.9
  TopLayer w0.203: R123.1@12.563,4.206 12.937,4.581 IC23.7@14.313,4.581
LVDS1_N: IC8.48 J37.3 R141.2 | length 20.8
  TopLayer w0.152: v1(139.487,47.403) 139.661,47.229 139.661,46.896 R141.2@139.343,46.578 140.18,45.742 140.18,45.107 IC8.48@140.256,45.03
  Signal Layer 1 w0.152: v1(139.487,47.403) 139.661,47.229 139.661,46.452 140.849,45.264 147.895,45.264 150.656,42.503 152.722,42.503 152.937,42.288 151.92,41.271 J37.3@151.493,41.271
LVDS1_P: IC8.47 J37.2 R141.1 | length 19.7
  TopLayer w0.152: v1(140.14,47.403) 139.966,47.229 139.966,46.896 R141.1@140.283,46.578 140.283,46.192 140.756,45.72 IC8.47@140.756,45.03
  Signal Layer 1 w0.152: v1(140.14,47.403) 139.966,47.229 139.966,46.578 140.975,45.569 148.021,45.569 150.782,42.808 153.029,42.808 J37.2@154.033,43.811
LVDS2_N: IC8.4 J37.6 R144.2 | length 23.1
  TopLayer w0.152: R144.2@137.883,42.502 138.269,42.502 v1@138.525,42.757 ; v1(138.528,42.754) 138.604,42.83 IC8.4@139.556,42.83 IC8.4@139.653,42.928
  Signal Layer 1 w0.152: v1(138.528,42.754) 138.702,42.928 140.284,42.928 141.51,44.153 146.37,44.153 148.927,41.596 148.927,39.027 150.76,37.194 152.496,37.194 J37.6@154.033,38.731
LVDS2_P: IC8.3 J37.5 R144.1 | length 21.4
  TopLayer w0.152: R144.1@137.883,43.442 138.269,43.442 ; v1(138.528,43.407) 138.604,43.33 IC8.3@139.556,43.33 IC8.3@139.653,43.233
  Signal Layer 1 w0.152: v1(138.528,43.407) 138.702,43.233 140.158,43.233 141.383,44.458 146.496,44.458 149.232,41.722 149.232,39.153 150.886,37.499 151.921,37.499 151.955,37.533 151.955,37.8 151.493,38.262 J37.5@151.493,38.731
LVDS3_N: IC8.10 J37.9 R147.2 | length 19.6
  TopLayer w0.152: R147.2@138.162,39.479 138.549,39.479 138.973,39.903 v1@140.383,39.903
  Signal Layer 1 w0.152: v1(140.383,39.78) 140.629,39.78 141.326,39.083 145.772,39.083 147.552,37.303 147.552,35.609 148.411,34.75 152.25,34.75 152.75,34.25 152.5,34 151.841,34 J37.9@151.493,33.651
LVDS3_P: IC8.9 J37.8 R147.1 | length 19.8
  TopLayer w0.152: R147.1@138.162,40.419 138.549,40.419 138.637,40.33 IC8.9@139.556,40.33 140.281,40.33 v1(140.506,40.556)
  Signal Layer 1 w0.152: v1@140.427,40.413 140.581,40.259 140.861,39.979 141.452,39.388 145.898,39.388 147.857,37.429 147.857,35.735 148.537,35.055 152.055,35.055 153.191,36.191 J37.8@154.033,36.191
LVDS4_N: IC8.14 J37.12 R151.2 | length 17.8
  TopLayer w0.152: v1(140.756,36.153) 140.756,36.598 140.749,36.605 R151.2@140.893,36.749 140.893,37.135 140.756,37.272 IC8.14@140.756,38.13
  Signal Layer 1 w0.152: v1(140.756,36.153) 140.756,35.784 143.246,35.784 145.323,33.708 149.018,33.708 150.078,32.648 152.352,32.648 153,32 153,31.75 153.639,31.111 J37.12@154.033,31.111
LVDS4_P: IC8.13 J37.11 R151.1 | length 18.4
  TopLayer w0.152: v1(140.097,36.153) 140.097,36.605 R151.1@139.953,36.749 139.953,37.135 140.256,37.438 IC8.13@140.256,38.13
  Signal Layer 1 w0.152: v1(140.097,36.153) 140.097,35.653 140.271,35.479 143.12,35.479 145.196,33.403 148.892,33.403 149.952,32.343 152.226,32.343 152.658,31.911 152.658,31.653 152.035,31.653 J37.11@151.493,31.111
LVDS5_N: IC9.48 J37.15 R160.2 | length 19.6
  TopLayer w0.152: IC9.48@140.52,31.984 140.52,32.942 140.285,33.177 R160.2@140.285,33.563 140.603,33.88 v1@140.603,34.287
  Signal Layer 1 w0.152: v1(140.415,34.287) 140.415,34.188 140.603,34 140.603,33.307 142.226,31.684 143.573,31.684 143.578,31.679 147.113,31.679 150.185,28.607 150.185,28.029 150.988,27.226 152.277,27.226 152.277,26.815 J37.15@151.493,26.031
LVDS5_P: IC9.47 J37.14 R160.1 | length 19.5
  TopLayer w0.152: v1@140.908,34.135 140.908,33.88 R160.1@141.225,33.563 141.225,33.177 141.02,32.971 IC9.47@141.02,31.984
  Signal Layer 1 w0.152: v1(141.101,34.135) 140.908,33.942 140.908,33.433 142.352,31.988 143.7,31.988 143.705,31.984 147.239,31.984 150.489,28.733 150.489,28.156 151.114,27.531 152.992,27.531 J37.14@154.033,28.571
LVDS6_N: IC9.4 J37.18 R163.2 | length 21.8
  TopLayer w0.152: R163.2@138.52,29.537 138.906,29.537 139.153,29.784 IC9.4@139.82,29.784 140.542,29.784 v1(140.618,29.707)
  Signal Layer 1 w0.152: v1(140.618,29.707) 141.22,29.106 147.406,29.106 149.254,27.257 149.254,23.112 150.246,22.121 152.301,22.121 153.672,23.491 J37.18@154.033,23.491
LVDS6_P: IC9.3 J37.17 R163.1 | length 21.2
  TopLayer w0.152: R163.1@138.52,30.477 138.906,30.477 139.1,30.284 IC9.3@139.82,30.284 140.542,30.284 v1(140.618,30.36)
  Signal Layer 1 w0.152: v1(140.618,30.36) 140.643,30.36 141.097,29.906 141.097,29.881 141.568,29.41 147.532,29.41 149.559,27.384 149.559,23.238 150.372,22.425 152.175,22.425 152.367,22.617 152.367,22.883 152.101,22.883 J37.17@151.493,23.491
LVDS7_N: IC9.10 J37.21 R166.2 | length 19.4
  TopLayer w0.152: R166.2@138.292,26.616 138.678,26.616 138.846,26.784 IC9.10@139.82,26.784 140.466,26.784 v1(140.542,26.707)
  Signal Layer 1 w0.152: v1(140.542,26.707) 140.807,26.707 145.262,22.252 146.046,22.252 148.666,19.631 152.632,19.631 152.836,19.428 151.819,18.411 J37.21@151.493,18.411
LVDS7_P: IC9.9 J37.20 R166.1 | length 19.4
  TopLayer w0.152: R166.1@138.292,27.556 138.678,27.556 138.95,27.284 IC9.9@139.82,27.284 140.466,27.284 v1(140.542,27.36)
  Signal Layer 1 w0.152: v1(140.542,27.36) 140.585,27.36 145.389,22.556 146.172,22.556 148.793,19.936 153.018,19.936 J37.20@154.033,20.951
LVDS8_N: IC9.14 J37.24 R170.2 | length 18.9
  TopLayer w0.152: IC9.14@141.02,25.084 141.02,24.325 141.251,24.094 R170.2@141.251,23.708 141.251,23.321 141.107,23.178 v1(141.107,22.984)
  Signal Layer 1 w0.152: v1(141.107,22.984) 140.933,22.81 140.933,22.273 141.31,21.896 144.684,21.896 147.609,18.971 149.533,18.971 150.489,18.014 150.489,17.996 151.077,17.408 152.62,17.408 153.013,17.014 153.013,16.89 J37.24@154.033,15.871
LVDS8_P: IC9.13 J37.23 R170.1 | length 18.9
  TopLayer w0.152: v1(140.455,22.984) 140.455,23.178 140.311,23.321 R170.1@140.311,23.708 140.311,24.094 140.52,24.303 IC9.13@140.52,25.084
  Signal Layer 1 w0.152: v1(140.455,22.984) 140.628,22.81 140.628,22.147 141.184,21.591 144.558,21.591 147.483,18.666 149.407,18.666 150.185,17.888 150.185,17.869 150.951,17.103 152.494,17.103 152.632,16.964 151.539,15.871 J37.23@151.493,15.871